# Altium PCB 191228 PCB.PcbDoc (part 2 of 3)
Units mm, origin at the board's own origin, x right, y up, seen from the top; angles counter-clockwise.
Board outline 140 x 119 mm, 4 copper layers (Top Layer, Int1 (GND), Int2 (PWR), Bottom Layer), stack 1.369 mm thick; 247 components, 139 nets, 764 pads, 397 vias.
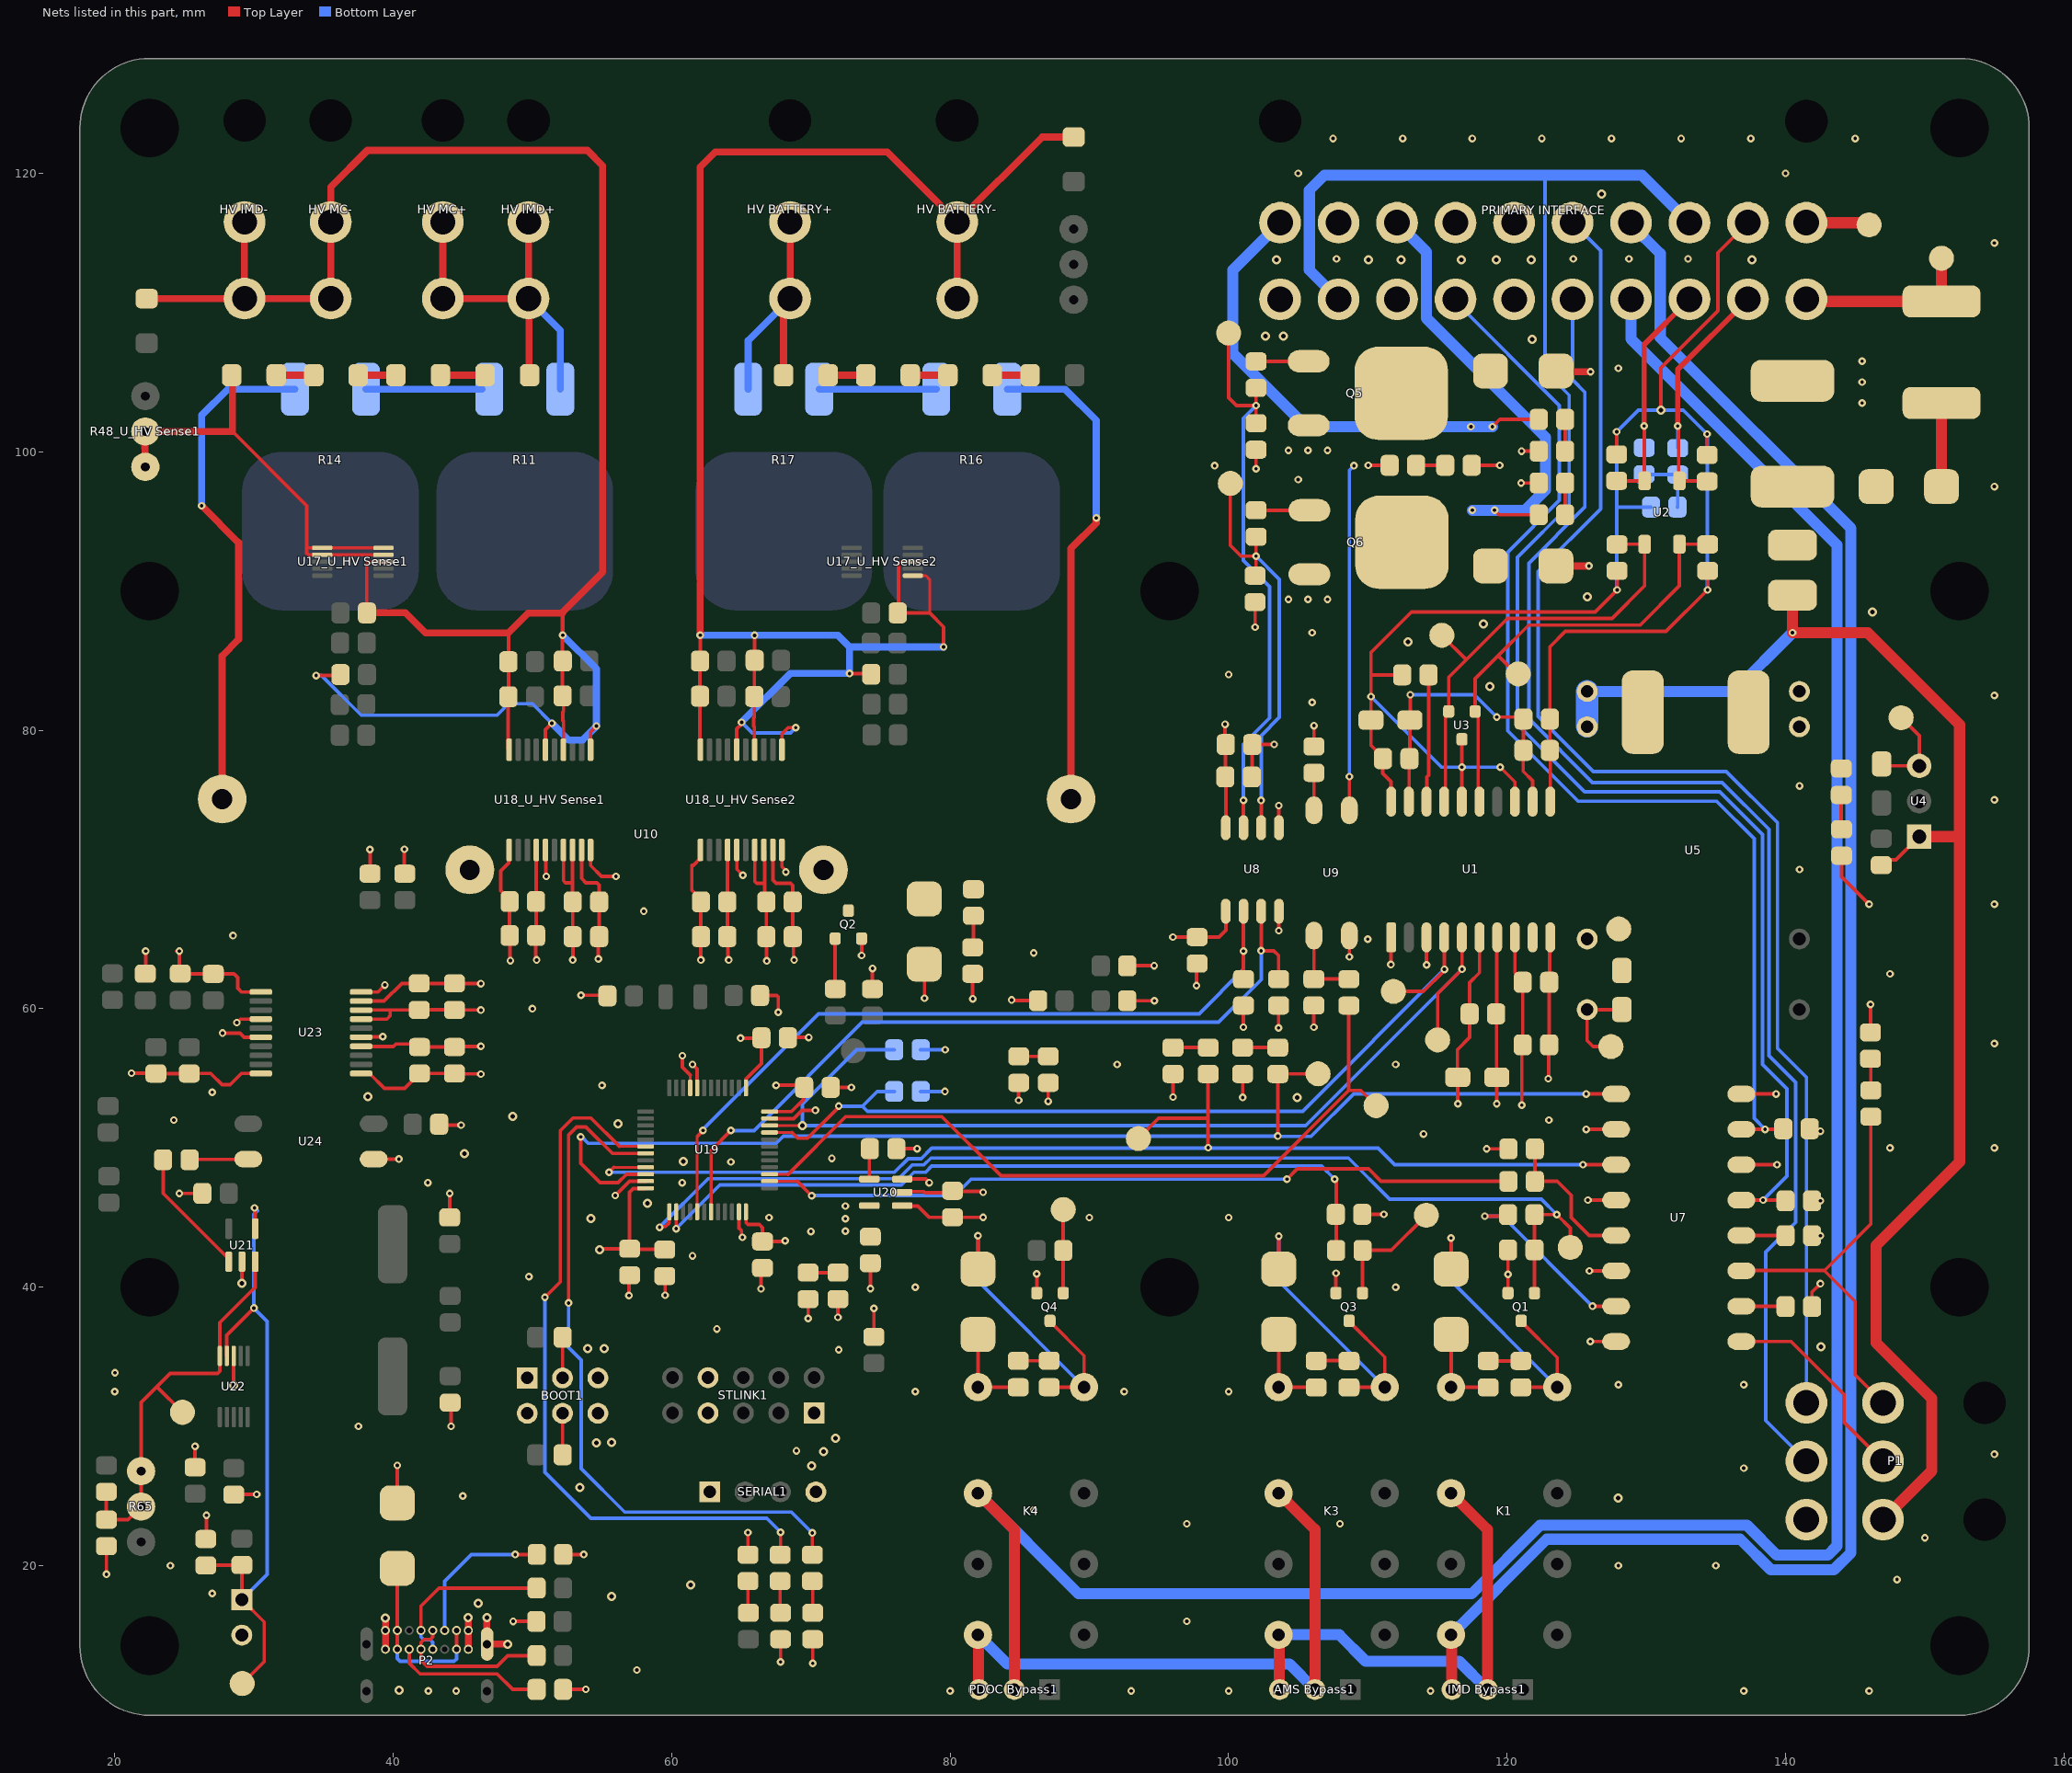
[diagram p4: the nets of this part, all layers, seen from the top]

## Via types
v1: diameter 0.55, hole 0.25, Top Layer to Bottom Layer, tented both sides, 349 vias
v2: diameter 0.66, hole 0.33, Top Layer to Bottom Layer, tented both sides, 47 vias
v3: diameter 0.66, hole 0.33, Top Layer to Bottom Layer, 1 vias

## Nets (pads, with @x,y where several pads share a name; then routed paths per layer and width w, separated by ;. In a path a pad name is that pad's centre, name@x,y a point inside that pad or via, vN(x,y) a via of type N, cw(c..) or ccw(c..) an arc to the next point about the centre after c; other vN are vias at no path point) (continued)
"0V (ISO)": "0V ISO TP.1" "C35_U_HV Sense1.1" "C35_U_HV Sense2.1" "C36_U_HV Sense1.1" "C36_U_HV Sense2.1" "C37_U_HV Sense1.1" "C37_U_HV Sense2.1" "C38_U_HV Sense1.1" "C38_U_HV Sense2.1" "PCB NTC1.1" "U18_U_HV Sense1.1" "U18_U_HV Sense1.5" "U18_U_HV Sense1.7" "U18_U_HV Sense1.8" "U18_U_HV Sense1.10" "U18_U_HV Sense2.1" "U18_U_HV Sense2.5" "U18_U_HV Sense2.7" "U18_U_HV Sense2.8" "U18_U_HV Sense2.10" BOOT1.5 BOOT1.6 C1.1 C2.1 C7.1 C8.1 C16.1 C19.1 C20.1 C27.1 C39.1 C40.1 C41.1 C42.1 C43.1 C44.1 C45.1 C46.1 C47.1 C48.1 C49.1 C60.1 C61.1 C62.1 C63.1 D11.K D20.K P2.A1 P2.A12 P2.B1 P2.B12 P2.P1 Q1.S Q2.S Q3.S Q4.S R3.1 R8.1 R12.1 R19.1 R24.1 R29.1 R36.1 R38.1 R55.1 R57.1 R58.1 R63.2 R72.2 SERIAL1.4 STLINK1.1 U1.1 U1.3 U1.7 U1.9 U1.10 U5.16 U8.4 U19.8 U19.23 U19.35 U19.47 U20.2 U23.1 U23.5 U23.7 U23.8 U23.10 U24.3 | length 178.2
  Top Layer w0.254: U23.1@37.7,55.35 38.3,55.35 39.361,54.289 40.836,54.289 C63.1@41.894,55.347 C62.1@44.405,55.347 44.428,55.323 46.277,55.323 v1(46.3,55.3) ; U23.7@37.7,59.25 39.55,59.25 39.784,59.484 39.784,59.909 ; U23.8@37.7,59.9 37.709,59.909 39.784,59.909 ; U23.10@37.7,61.2 38.9,61.2 v1(39.4,61.7) ; U23.5@37.989,57.95 U23.5@37.7,57.95 37.725,57.975 39.225,57.975 v1(39.25,58) ; U24.3@38.6,49.2 v1(40.411,49.2) ; C19.1@44.064,45.005 v1(44.064,46.726) ; C20.1@44.095,31.705 44.164,31.636 v1(44.164,30.005) ; v1(46.3,59.9) 46.291,59.909 44.414,59.909 C60.1@44.405,59.919 C61.1@41.869,59.919 41.859,59.909 39.784,59.909 ; 48.332,71.4 48.293,71.36 48.293,70.468 47.725,69.9 47.725,68.471 48.363,67.833 48.363,67.699 48.365,67.697 48.365,65.254 48.367,65.252 48.384,65.235 v1@48.384,63.716 ; v1@48.41,63.465 v1(48.425,63.45) ; 50.932,71.4 50.958,71.374 50.958,69.548 v1(51.002,69.503) ; R72.2@52.203,11.11 v1(53.833,11.11) ; R63.2@52.213,20.799 v1(53.692,20.799) ; 52.232,71.4 52.232,69.186 52.381,69.037 52.889,69.037 ; 52.882,71.4 52.889,71.393 52.889,69.037 ; v1(52.9,63.5) 52.91,63.51 52.91,65.158 52.895,65.173 52.896,67.672 52.889,67.679 52.889,69.037 ; v1(53.491,60.962) 55.345,60.962 C41.1@55.387,60.92 ; 54.182,71.4 54.182,70.279 54.961,69.5 v1(56,69.5) ; v1(55.956,46.584) 56.982,47.609 U19.23@58.134,47.609 ; v1(56.933,39.396) 56.933,40.808 C44.1@56.984,40.859 ; C43.1@59.51,40.797 59.533,40.775 v1(59.533,39.421) ; v1(61.5,56) 61.834,55.666 U19.8@61.834,54.309 ; 62.07,71.406 62.07,70.806 61.564,70.3 61.449,70.3 61.449,68.505 62.1,67.854 62.1,67.672 62.1,65.173 v1(62.1,63.5) ; 64.67,71.406 64.682,71.394 64.682,70.014 v1(65.11,69.586) ; U19.35@64.834,45.409 64.834,44.246 65.018,44.062 65.018,43.632 v1(65.075,43.575) ; 65.97,71.406 65.97,69.149 66.119,69 66.693,69 ; C40.1@66.349,60.946 67.554,60.946 67.659,60.841 v1(67.659,59.75) ; v1(66.423,39.88) 66.423,41.28 C47.1@66.523,41.38 ; 66.62,71.406 66.693,71.333 66.693,69 ; v1(66.837,63.433) 66.819,63.452 66.819,65.154 66.8,65.173 66.8,67.672 66.693,67.779 66.693,69 ; U19.47@67.034,52.109 68.756,52.109 69.347,52.7 v1(70.325,52.7) ; v1(67.824,13.087) R57.1@67.824,14.711 ; 67.92,71.406 67.92,70.19 68.2,69.91 v1(68.2,69.811) ; C45.1@68.348,57.913 68.373,57.938 v1(69.848,57.938) ; v1(69.8,37.745) R55.1@69.8,39.145 ; v1(70.134,12.984) R58.1@70.134,14.711 ; C48.1@71.42,54.347 v1(72.907,54.347) ; v1(73.645,63.82) Q2.S@73.645,65.04 ; v1(74.274,39.891) C46.1@74.274,41.72 ; R19.1@74.421,61.414 v1(74.421,62.89) ; C49.1@76.136,49.946 v1(77.636,49.946) ; U20.2@76.563,46.808 76.619,46.864 78.13,46.864 78.205,46.789 80.043,46.789 C42.1@80.174,46.92 80.224,46.87 82.324,46.87 v1(82.374,46.82) ; Q4.S@86.223,39.577 v1(86.223,40.955) ; v1(87.047,53.347) R3.1@87.047,54.677 ; C39.1@92.718,60.576 92.72,60.574 v1(94.677,60.574) ; 92.718,63.076 92.731,63.089 v1(94.652,63.089) ; v1(96.006,53.651) D11.K@96.006,55.308 ; v1(97.689,61.666) 97.689,63.191 C16.1@97.739,63.241 ; v1(101.01,53.625) D20.K@101.01,55.308 ; v1(101.067,58.674) R8.1@101.067,60.228 ; v1(103.589,58.615) R24.1@103.589,60.228 ; v1(103.61,65.61) U8.4@103.61,67 ; v1(106.121,58.674) R12.1@106.121,60.232 ; Q3.S@107.711,39.577 v1(107.711,41.006) ; R38.1@109.598,45.233 v1(111.146,45.233) ; v1(111.654,63.17) 111.663,63.179 U1.1@111.663,65.111 ; U1.1@111.662,65.112 U1.1@111.672,65.122 ; U1.3@114.212,65.122 114.215,65.118 114.215,63.148 v1(114.219,63.144) ; v1(118.532,49.932) R36.1@120.095,49.932 ; v1(119.262,53.175) C1.1@119.262,55.075 119.237,55.1 119.237,59.6 C8.1@119.212,59.625 119.252,59.665 119.252,65.082 U1.7@119.292,65.122 ; Q1.S@120.065,39.577 v1(120.065,40.92) 120.065,42.666 R29.1@120.071,42.672 ; v1(122.962,54.975) 122.993,55.006 122.993,57.37 C7.1@123.024,57.401 C2.1@123.024,61.901 123.063,61.94 123.063,65.083 U1.10@123.102,65.122
  Top Layer w0.508: P2.B1@39.448,13.995 P2.A12@39.448,15.345 39.45,15.347 v2(39.45,16.25) ; P2.B12@45.398,13.995 P2.A1@45.398,15.345 v2(45.398,16.273) ; v2(46.725,16.275) 46.725,14.388 P2.P1@46.748,14.365 v2(48.215,14.365)
  other v1: 42.525,11 44.525,11 57.5,12.5 45,25 68.961,28.249 37.5,30 77.5,32.5 92.5,32.5 100,32.5 128,33 72,35.5 63.25,37 77.5,40 112,40 49.75,40.75 61.5,42.25 70,44 67,45 90,45 100,45 42.5,47.5 60.75,47.5 64.25,49 71.5,49.25 114,51 123,52 55,54.5 92,56 112,56 50,60 86,64 110,65 58,67
  other v2: 40.425,11.05 46.1,17.275 55.675,17.8 61.366,18.618 53.4,25.625 70.053,27.178 70.917,28.194 54.61,28.804 55.677,28.854 71.78,29.159 53.975,35.585 55.169,35.585 54.2,44.925 58.25,46.025 60.85,49.025 45.125,49.6 56.15,51.75 48.575,52.25 104.925,53.625 38.175,53.7
"3.3V (ISO)": BOOT1.1 BOOT1.2 C43.2 C44.2 C45.2 C46.2 C47.2 C48.2 D18.A D19.A R77.2 SERIAL1.1 STLINK1.7 STLINK1.8 U19.1 U19.9 U19.24 U19.36 U19.48 U20.5 | length 33.6
  Top Layer w0.203: U19.9@61.334,54.309 61.334,55.238 ; U19.1@65.334,54.309 65.334,54.946 ; R77.2@74.526,36.438 v1(74.526,38.474)
  Top Layer w0.254: v2(54.839,42.697) 54.9,42.759 C44.2@56.984,42.759 ; U19.24@58.134,47.109 58.111,47.086 57.246,47.086 56.984,46.824 C44.2@56.984,42.759 ; C43.2@59.51,42.697 59.479,42.728 57.015,42.728 C44.2@56.984,42.759 ; v1(60.772,56.621) 60.772,55.8 61.334,55.238 ; v1(64.948,57.887) 66.372,57.887 66.423,57.938 C45.2@66.448,57.913 66.448,56.06 65.334,54.946 ; U19.36@65.334,45.409 65.35,45.393 65.35,44.625 65.476,44.499 66.301,44.499 66.523,44.277 C47.2@66.523,43.28 68.105,43.28 v1(68.15,43.325) ; v1(65.475,22.375) 65.475,20.793 D19.A@65.483,20.785 ; U19.48@67.034,52.609 68.609,52.609 69.458,53.458 69.458,54.385 69.343,54.5 v1(67.5,54.5) ; v1(71.943,37.836) D18.A@71.943,39.145
  other v1: 72.474,44.02 72.474,44.92 72.474,45.82
5V: "5V TP.1" C15.2 C17.2 C18.2 D16.A R4.2 R7.2 U4.3 U8.8 | length 19.5
  Top Layer w0.254: v1(99.75,80.425) 99.75,79.025 C18.2@99.8,78.975 99.781,78.956 99.781,76.67 C17.2@99.763,76.652 99.8,76.614 U8.8@99.8,73.477 ; R7.2@141.738,51.374 141.912,51.2 v1(142.5,51.2) ; R4.2@141.9,46.2 v1(142.5,46.2) ; D16.A@144.026,70.988 144.026,69.474 v1(146,67.5) ; C15.2@146.9,77.575 147.035,77.44 U4.3@149.6,77.44 149.6,79.6 148.3,80.9
"5V (ISO)": "5V ISO TP.1" "C35_U_HV Sense1.2" "C35_U_HV Sense2.2" "C36_U_HV Sense1.2" "C36_U_HV Sense2.2" "C37_U_HV Sense1.2" "C37_U_HV Sense2.2" "C38_U_HV Sense1.2" "C38_U_HV Sense2.2" "U18_U_HV Sense1.4" "U18_U_HV Sense1.9" "U18_U_HV Sense2.4" "U18_U_HV Sense2.9" C1.2 C2.2 C7.2 C8.2 C16.2 C27.2 C42.2 C60.2 C61.2 C62.2 C63.2 D4.K D8.K D9.A D10.K D12.K D13.A D14.K D15.A D17.A K1.16 K3.16 K4.16 R15.2 R39.2 R54.2 R70.2 R71.2 R73.2 R75.2 R76.2 U1.6 U1.8 U5.14 U7.10 U7.12 U7.14 U7.16 U8.1 U9.4 U10.2 U20.1 U20.3 U23.4 U23.9 | length 146.4
  Top Layer w0.254: U23.4@37.7,57.3 37.727,57.273 40.018,57.273 40.205,57.461 41.679,57.461 C63.2@41.894,57.247 C62.2@44.405,57.247 44.432,57.273 46.273,57.273 v1(46.3,57.3) ; U23.9@37.7,60.55 39.35,60.55 40.619,61.819 C61.2@41.869,61.819 C60.2@44.405,61.819 44.414,61.809 46.291,61.809 v1(46.3,61.8) ; R70.2@38.338,69.696 v1(38.338,71.429) ; D10.K@40.3,24.5 v1(40.3,27.2) ; v1(40.802,71.455) 40.802,69.732 R71.2@40.838,69.696 ; R73.2@43.3,51.7 43.362,51.638 v1(44.882,51.638) ; v1(48.624,15.994) R39.2@50.279,15.994 ; 50.273,67.704 50.273,67.709 ; 50.282,71.4 50.273,71.39 50.273,67.709 ; v1(50.3,63.5) 50.246,63.554 50.246,65.235 50.265,65.254 50.265,67.697 50.263,67.699 50.273,67.709 ; 53.532,71.4 53.532,69.353 53.848,69.037 54.641,69.037 54.796,68.882 54.796,67.672 54.796,65.173 54.795,65.014 54.737,64.955 v1(54.737,63.576) ; 64.02,71.406 64.008,71.394 64.008,69.718 64.01,69.716 64.01,67.682 64,67.672 64,65.173 64.05,65.123 64.05,63.55 v1(64.1,63.5) ; 67.27,71.406 67.27,69.23 67.5,69 68.551,69 68.7,68.851 68.7,67.672 68.7,65.173 68.75,65.123 68.75,63.55 v1(68.8,63.5) ; U20.1@76.563,45.858 76.607,45.814 77.68,45.814 78.474,45.02 C42.2@80.174,45.02 v1(82.374,45.02) ; U20.3@76.563,47.758 76.572,47.768 78.232,47.768 v1(78.5,47.5) ; D4.K@78.148,63.188 78.156,63.18 v1(78.156,60.757) ; v1(81.622,60.712) R15.2@81.622,62.5 ; D14.K@82,36.6 82.002,36.598 K4.16@82.002,32.816 82.01,32.808 D15.A@84.892,32.808 D15.A@84.9,32.8 ; v1(84.416,60.625) 84.464,60.576 R54.2@86.318,60.576 ; v1(84.922,53.422) D17.A@84.922,54.677 ; v1(96.002,65.141) C16.2@97.739,65.141 99.304,65.141 99.8,65.637 U8.1@99.8,67 ; D12.K@103.607,36.6 103.595,36.588 K3.16@103.595,32.816 103.603,32.808 106.282,32.808 D13.A@106.29,32.8 ; v1(108.67,63.72) U9.4@108.67,65.25 ; D8.K@115.979,36.6 K1.16@115.98,32.816 115.988,32.808 118.632,32.808 D9.A@118.64,32.8 ; v1(116.462,53.175) C1.2@116.462,55.075 116.437,55.1 116.437,57.064 117.312,57.939 C8.2@117.312,59.625 117.312,61.875 118.022,62.585 U1.6@118.022,65.122 ; U1.8@120.562,65.122 120.562,62.604 121.124,62.042 C2.2@121.124,61.901 C7.2@121.124,57.401 121.062,57.339 v1(121.062,53.075) ; v1(125.679,51.333) U7.10@127.83,51.333 ; v1(125.806,46.253) U7.12@127.83,46.253 ; v1(125.908,41.173) U7.14@127.83,41.173 ; v1(125.984,36.093) U7.16@127.83,36.093 ; 127.457,57.277 126.176,57.277 125.75,57.703 U5.14@125.75,59.93 128.231,59.93 C27.2@128.245,59.944
  Bottom Layer w0.254: R75.2@77.888,54.055 v1(79.63,54.055) ; R76.2@77.888,57.055 v1(79.645,57.055)
12V/24V: C14.2 C22.2 L1.1 P1.1 U4.1 U5.22 U5.23 | length 105.6
  Top Layer w0.254: C14.2@146.874,70.312 147.25,70.689 147.929,70.689 U4.1@149.6,72.36
  Top Layer w0.8: L1.1@140.5,89.7 v1(140.5,87) 145.9,87 152.5,80.4 152.5,72.36 ; P1.1@147,23.3 150.5,26.8 150.5,32 146.5,36 146.5,43 152.5,49 152.5,72.36 ; U4.1@149.6,72.36 152.5,72.36
  Bottom Layer w0.8: U5.23@125.75,82.79 136.29,82.79 v1(140.5,87)
  Bottom Layer w1.6: U5.22@125.75,80.291 U5.23@125.75,82.79
"AIR Power": "PRIMARY INTERFACE.12" "PRIMARY INTERFACE.13" "PRIMARY INTERFACE.17" D2.K D6.K D21.A R6.2 R22.2 U9.1 | length 34.3
  Top Layer w0.254: U9.1@108.67,74.25 v1(108.67,76.67) ; D21.A@117.462,99.026 v1(119.474,99.026) ; v1(121.009,97.759) R22.2@122.271,97.759 ; v1(121.043,100.043) R6.2@122.271,100.043
  Top Layer w0.508: D6.K@123.509,91.8 v1(125.878,91.8) ; D2.K@123.509,105.8 123.551,105.842 123.643,105.75 v1(126,105.75)
  Bottom Layer w0.254: v1(108.67,76.67) 108.67,98.67 v1(109,99)
AIR+: "PRIMARY INTERFACE.15" D6.A D7.K Q6.D | length 32.9
  Top Layer w0.254: v1@117.4,95.8 v1(117.5,95.8) ; v1(119.1,95.8) 119.424,95.476 D7.K@122.271,95.476
  Bottom Layer w0.8: 112.1,116.45 114.2,114.35 114.2,111.82 114.2,109.6 122.75,101.05 122.75,97.25 121.3,95.8 v1(119.1,95.8) v1(117.5,95.8)
"AIR+ (ISO)": R24.2 U8.3 U19.31 | length 57
  Top Layer w0.203: U19.31@62.834,45.409 62.834,49.828
  Top Layer w0.254: 62.834,49.828 64.25,51.244 v1(64.25,51.25) ; U8.3@102.34,67 v1(102.34,64.16) 103.251,64.16 103.589,63.822 R24.2@103.589,62.128
  Bottom Layer w0.254: v1(64.25,51.25) 65.916,51.25 73.696,59.03 99.28,59.03 102.34,62.09 v1(102.34,64.16)
"AIR+ Feedback (ISO)": "AIR- FB ISO TP2.1" R20.2 U7.9 U19.22 | length 90.9
  Top Layer w0.254: v1(53.467,50.8) 53.467,48.895 54.862,47.5 56.151,47.5 56.76,48.109 U19.22@58.134,48.109 ; v1(103.532,50.853) R20.2@103.532,55.308 103.539,55.315 106.419,55.315 106.426,55.321 ; v1(125.679,53.873) U7.9@127.83,53.873
  Bottom Layer w0.254: v1(53.467,50.8) 53.536,50.8 54.004,50.332 67.504,50.332 68.025,50.853 v1(103.532,50.853) 103.505,50.825 105.918,50.825 108.979,53.886 125.666,53.886 v1(125.679,53.873)
"AIR+ Feedback Out": "PRIMARY INTERFACE.14" R7.1 U7.7 | length 80.8
  Top Layer w0.254: U7.7@136.83,51.333 v1(138.532,51.333) 139.798,51.333 R7.1@139.838,51.374
  Bottom Layer w0.254: 116.3,110.95 116.3,110.776 123.76,103.316 123.76,96.506 120.04,92.786 120.04,79.959 125.095,74.905 135.052,74.905 137.744,72.212 137.744,52.121 v1(138.532,51.333)
AIR-: "PRIMARY INTERFACE.19" D2.A D3.K Q5.D | length 35.2
  Top Layer w0.254: v1(118.95,101.8) 119.476,102.326 D3.K@122.271,102.326
  Bottom Layer w0.8: 103.7,116.45 100.3,113.05 100.3,107.075 105.575,101.8 v1(117.4,101.8) v1(118.95,101.8)
"AIR- (ISO)": R8.2 U8.2 U19.29 | length 55.9
  Top Layer w0.203: U19.29@61.834,45.409 61.834,50.834 61.854,50.854
  Top Layer w0.254: 61.854,50.854 v1(62.25,51.25) ; R8.2@101.067,62.128 101.07,62.132 v1(101.07,64.138) U8.2@101.07,67
  Bottom Layer w0.254: v1(62.25,51.25) 62.25,51.345 70.544,59.639 97.889,59.639 101.07,62.82 v1(101.07,64.138)
"AIR- Feedback (ISO)": "AIR- FB ISO TP1.1" R5.2 U7.11 U19.21 | length 87.2
  Top Layer w0.203: 55.862,48.612 55.866,48.609 U19.21@58.134,48.609
  Top Layer w0.254: v1(55.5,48.25) 55.862,48.612 ; 93.523,50.673 94.971,52.121 98.529,52.121 ; v1(98.529,50.015) 98.529,52.121 ; R5.2@98.529,55.308 98.529,52.121 ; v1(125.451,48.793) U7.11@127.83,48.793
  Bottom Layer w0.254: v1(55.5,48.25) 76,48.25 76.985,49.235 77.931,49.235 78.683,49.987 v1@98.527,49.987 ; v1@98.527,50.013 v1(98.529,50.015) ; v1@98.529,49.987 110.744,49.987 111.938,48.793 v1(125.451,48.793)
"AIR- Feedback Out": "PRIMARY INTERFACE.5" "PRIMARY INTERFACE.18" R4.1 U7.5 | length 131.4
  Top Layer w0.254: U7.5@136.83,46.253 v1(138.388,46.253) 139.947,46.253 R4.1@140,46.2
  Bottom Layer w0.254: 122.75,119.875 122.733,119.858 122.733,105.791 124.46,104.064 124.46,96.139 120.752,92.431 120.752,80.416 125.578,75.59 135.28,75.59 138.354,72.517 138.354,56.007 140.106,54.254 140.106,47.972 v1(138.388,46.253)
  Bottom Layer w0.8: 107.9,110.95 105.8,113.05 105.8,118.784 106.891,119.875 122.75,119.875 ; 122.733,119.858 129.692,119.858 133.1,116.45
"AMS OK (ISO)": R34.1 R38.2 U19.26 | length 56.1
  Top Layer w0.254: v1(60.325,44.2) 60.325,45.6 U19.26@60.33,45.605 ; v1(107.62,47.752) 107.722,47.65 R34.1@107.722,42.646
  Bottom Layer w0.254: v1(60.325,44.2) 63.461,47.336 76.482,47.336 77.397,48.25 78.239,48.25 78.681,48.692 106.68,48.692 v1(107.62,47.752)
BOOT0: BOOT1.3 R60.1 | length 2.9
  Top Layer w0.254: BOOT1.3@52.168,33.48 52.17,33.483 52.17,36.399 R60.1@52.173,36.402
BOOT1: BOOT1.4 R59.2 | length 3
  Top Layer w0.254: BOOT1.4@52.168,30.94 52.171,30.936 52.171,27.964 R59.2@52.175,27.961
"CAN RX": "CAN RX TP.1" R75.1 U1.4 U19.45 | length 63.4
  Top Layer w0.203: U19.45@67.034,51.109 68.647,51.109 68.651,51.105
  Top Layer w0.254: 68.651,51.105 69.057,50.698 69.764,50.698 72,52.935 v1(72,53) ; 111.836,61.239 113.989,61.239 115.491,62.741 115.491,65.113 U1.4@115.482,65.122
  Bottom Layer w0.254: v1(72,53) 73.701,53 ; R75.1@75.988,54.055 74.756,54.055 73.701,53 ; v1(115.5,62.825) 105.311,52.636 74.065,52.636 73.701,53
"CAN RX INDC": "CAN RX INDC1.A" U19.19 | length 51
  Top Layer w0.254: v1(52.603,38.862) 52.603,50.942 53.172,51.511 53.839,51.511 55.741,49.609 U19.19@58.134,49.609 ; v1(70.1,22.35) 70.1,20.788 70.102,20.785
  Bottom Layer w0.254: v1(52.603,38.862) 52.603,35.647 53.5,34.75 53.5,26.975 56.626,23.849 68.601,23.849 v1(70.1,22.35)
"CAN TX": "CAN TX TP.1" R76.1 U1.5 U19.46 | length 72.2
  Top Layer w0.203: U19.46@67.034,51.609 v2(69.391,51.609)
  Top Layer w0.254: 115.011,57.76 115.011,61.087 v1(116.764,62.84) 116.764,65.11 U1.5@116.752,65.122
  Bottom Layer w0.254: R76.1@75.988,57.055 73.299,57.055 69.391,53.147 v2(69.391,51.609) 105.533,51.609 v1(116.764,62.84)
"CAN TX INDC": "CAN TX INDC1.A" U19.18 | length 52.7
  Top Layer w0.203: 56.241,50.109 U19.18@58.134,50.109
  Top Layer w0.254: v1(50.9,39.27) 52,40.37 52,51.25 52.902,52.152 54.198,52.152 56.241,50.109 ; 67.793,20.785 67.825,20.818 v1(67.825,22.4)
  Bottom Layer w0.254: v1(50.9,39.27) 50.9,26.697 54.205,23.392 66.833,23.392 v1(67.825,22.4)
CANH: "CAN TERM R1.2" "PRIMARY INTERFACE.6" C11.2 U2.2 | length 18
  Top Layer w0.254: C11.2@127.871,97.909 U2.2@129.876,97.909 129.86,97.925 129.86,101.829 v1(129.844,101.844)
  Top Layer w0.381: v1(129.844,101.844) 129.844,107.694 133.1,110.95
  Bottom Layer w0.254: 129.844,100.285 v1(129.844,101.844)
CANL: "CAN TERM R2.1" "PRIMARY INTERFACE.4" C10.2 U2.1 | length 18.8
  Top Layer w0.254: v1(132.255,101.855) 132.315,101.794 132.315,97.97 U2.1@132.376,97.909 134.333,97.909 C10.2@134.371,97.871
  Top Layer w0.381: v1(132.255,101.855) 132.255,105.905 137.3,110.95
  Bottom Layer w0.254: 132.255,100.261 v1(132.255,101.855)
CANS: "PRIMARY INTERFACE.3" C3.1 C4.1 C5.1 C6.1 C9.1 C10.1 C11.1 C12.1 C13.1 R1.1 U1.11 U1.13 U1.16 U1.20 U3.3 | length 130.8
  Top Layer w0.254: U1.20@111.672,74.875 111.672,76.313 111.074,76.911 111.074,78.074 110.224,78.924 C4.1@110.224,80.73 v1(110.224,82.411) 110.224,83.974 ; R1.1@112.463,83.974 110.224,83.974 ; U1.16@116.752,74.875 116.755,74.879 v1(116.755,77.343) 116.755,79.346 U3.3@116.759,79.35 ; v1(119.507,77.343) 120.562,76.288 U1.13@120.562,74.875 ; U1.11@123.102,74.876 123.102,78.523 C6.1@123.074,78.551 C5.1@123.074,80.801 123.074,85.99 124.181,87.097 131.42,87.097 v1(134.404,90.081) 134.404,91.445 C12.1@134.402,91.447 ; C11.1@127.871,99.809 v1(127.871,101.441) ; C13.1@127.902,91.447 v1(127.902,90.081) 126.315,88.494 113.132,88.494 110.224,85.586 110.224,83.974 ; v2(131.038,102.997) 131.038,106.019 135.153,110.134 135.153,114.303 137.3,116.45 ; C10.1@134.371,99.771 v1(134.371,101.274)
  Bottom Layer w0.254: v1(110.224,82.411) 115.292,77.343 v1(116.755,77.343) v1(119.507,77.343) ; v1(127.902,90.081) 127.886,90.096 127.886,96.026 ; C9.1@130.338,96.026 127.886,96.026 ; v1(134.404,90.081) 134.388,90.098 134.388,101.258 v1(134.371,101.274) 132.648,102.997 v2(131.038,102.997) 129.427,102.997 v1(127.871,101.441) 127.886,101.425 127.886,96.026
"CHASSIS REF": "PRIMARY INTERFACE.9" P1.6 | length 101
  Bottom Layer w0.254: 124.7,116.45 126.711,114.439 126.711,95.901 122.225,91.415 122.225,81.001 126.187,77.038 135.738,77.038 139.421,73.355 139.421,57.15 141.5,55.071 P1.6@141.5,31.7
GLV+: "GLV+ TP1.1" "PRIMARY INTERFACE.2" F1.1 | length 12.9
  Top Layer w0.8: 141.5,110.95 141.65,110.8 F1.1@151.2,110.8 151.2,113.9
GLV-: "GLV- TP1.1" "PRIMARY INTERFACE.1" "PRIMARY INTERFACE.11" "PRIMARY INTERFACE.16" "PRIMARY INTERFACE.20" C17.1 C18.1 C21.1 C22.1 P1.2 Q5.S Q6.S R2.1 R9.1 R13.2 R25.1 R26.1 R31.2 R40.2 R43.2 U5.2 U5.3 U7.6 U7.8 U8.5 | length 25.8
  Top Layer w0.254: C17.1@101.663,76.652 101.7,76.689 C18.1@101.7,78.975 v1(103.27,78.975) ; v1(101.9,87.4) R25.1@101.9,89.2 ; v1(101.975,98.775) R9.1@101.975,100.15 ; U8.5@103.607,72.803 U8.5@103.61,72.8 ; U8.5@103.61,73 v1(103.61,74.59) ; R13.2@106.126,78.838 v1(106.126,80.326) ; v1(110.026,99.026) R40.2@111.562,99.026 ; U7.6@136.83,48.793 v1(139.393,48.793) ; U7.8@136.83,53.873 v1(139.327,53.873) ; R26.1@141.9,38.6 141.9,39.65 v1(142.5,40.25) ; R31.2@141.9,43.7 v1(142.5,43.7) ; R43.2@146.1,58.3 v1(146.1,60.3)
  Top Layer w0.8: 141.5,116.45 145.85,116.45 146,116.3
  other v1: 80,11 93,11 100,11 114.5,11 137,11 146,11 97,16 148,19 128,20 135,20 150,22 97,23 108,23 86,24 137,27 155,28 137,33 147.5,50 155,50 155,57.5 147.5,62.5 155,67.5 141,70 155,75 141,76 106,82 155,82.5 100,84 106,87 104.3,89.4 105.7,89.4 107.1,89.4 155,97.5 105,98 99,99 104.3,100.1 105.7,100.1 107.1,100.1 145.5,103.5 145.5,105 128,106 145.5,106.5 107.75,113.855 124.75,113.855 128.75,113.855 133,113.855 155,115 105,120 140,120 107.5,122.5 112.5,122.5 117.5,122.5 122.5,122.5 127.5,122.5 132.5,122.5 137.5,122.5 145,122.5
  other v2: 127.975,24.85 142.525,35.725 118.75,83.15 112.875,86.35 118.3,87.625 125.775,89.575 121.8,108.075 102.65,108.3 103.95,108.3 103.425,113.8 110.05,113.8 112.375,113.8 116.7,113.8 119.225,113.8 121.75,113.8 137.575,113.8 126.775,118.5
  other v3: 146.25,88.5
"GLV- REF": "PRIMARY INTERFACE.10" P1.4 | length 101
  Bottom Layer w0.254: 124.7,110.95 124.7,105.17 125.578,104.292 125.578,96.012 121.564,91.999 121.564,80.823 126.136,76.251 135.444,76.251 138.811,72.884 138.811,56.617 140.714,54.713 140.714,44.651 138.582,42.52 138.582,30.418 P1.4@141.5,27.5
GNDISO: "PDOC NTC1.2" C52.1 C53.1 C54.1 C55.2 C56.1 C57.1 C58.1 C59.2 R69.1 R74.1 U21.2 U22.3 U23.11 U23.14 U23.16 U23.20 | length 37.3
  Top Layer w0.254: C54.1@19.4,21.4 19.406,21.394 v1(19.406,19.38) ; v1(21.209,55.372) 22.925,55.372 C56.1@22.956,55.341 C57.1@25.356,55.341 25.365,55.35 26.894,55.35 27.705,54.539 28.295,54.539 29.106,55.35 U23.20@30.5,55.35 ; R69.1@22.199,62.509 22.225,62.535 v1(22.225,64.135) ; v1@24.436,64.135 v1(24.638,64.135) 24.638,62.597 C59.2@24.713,62.521 24.738,62.497 C58.1@27.082,62.497 28.562,62.497 28.829,62.23 28.829,61.468 29.097,61.2 U23.11@30.5,61.2 ; v1(24.638,46.736) C53.1@26.294,46.736 ; R74.1@25.774,27.062 v1(25.774,28.574) ; C52.1@26.542,21.911 26.594,21.962 v1(26.594,23.622) ; v1(27.75,58.25) 28.996,58.25 29.296,57.95 U23.16@30.5,57.95 ; v2(28.524,32.944) 28.537,32.956 28.537,35.055 U22.3@28.55,35.068 ; C55.2@28.55,25.1 28.57,25.121 v1(30.201,25.121) ; v1(28.774,59) 29.024,59.25 U23.14@30.5,59.25 ; v2(29.141,40.284) 29.108,40.284 29.126,40.302 29.126,41.816 U21.2@29.144,41.834
  other v1: 27,18 24,20 20,32.5 20.025,33.85 24.25,52 27,54 28.5,65.25
"Green In": "IMD Bypass1.3" "PRIMARY INTERFACE.7" K1.9 | length 139
  Top Layer w0.8: K1.9@115.98,15.036 116.013,15.003 116.013,11.134 116.047,11.1
  Bottom Layer w0.8: K1.9@115.98,15.036 115.986,15.036 122.847,21.897 136.738,21.897 138.938,19.696 143.468,19.696 144.697,20.925 144.7,20.925 144.7,94.5 131,108.2 131,114.231 128.9,116.331 128.9,116.45
"Green Out": "PDOC Bypass1.2" "PRIMARY INTERFACE.8" K4.13 | length 178.7
  Top Layer w0.8: K4.13@82.002,25.196 84.609,22.589 84.609,11.1
  Bottom Layer w0.8: K4.13@82.002,25.196 89.223,17.975 117.45,17.975 122.375,22.9 137.225,22.9 139.375,20.75 143.031,20.75 143.697,21.415 143.697,93.303 128.9,108.1 128.9,110.95
"HV Battery+": "HV BATTERY+.1" "HV BATTERY+.2" "R44_U_HV Sense2.2" R17.1 | length 18.9
  Top Layer w0.508: 68.04,105.5 68.04,110.533 68.507,111 68.507,116.5
  Bottom Layer w0.508: R17.1@65.5,104.5 65.5,107.993 68.507,111
"HV Battery-": "C30_U_HV Sense2.2" "C31_U_HV Sense2.1" "C32_U_HV Sense2.1" "C33_U_HV Sense2.1" "C34_U_HV Sense2.2" "HV BATTERY-.1" "HV BATTERY-.2" "R51_U_HV Sense2.1" "R53_U_HV Sense2.1" "U17_U_HV Sense2.1" "U17_U_HV Sense2.3" "U18_U_HV Sense2.11" "U18_U_HV Sense2.14" "U18_U_HV Sense2.16" "U18_U_HV Sense2.20" | length 139.5
  Top Layer w0.203: 77.325,91.1 78.25,91.1 78.528,90.822 78.528,88.422
  Top Layer w0.254: v1(62.052,86.817) 62.052,84.982 62.038,84.968 62.038,82.442 62.038,78.639 62.07,78.606 ; 64.67,78.606 64.67,80.091 65.024,80.445 v1(65.024,80.569) ; v1(65.962,86.815) 65.962,85.02 65.938,84.996 65.938,82.421 65.938,80.939 65.888,80.889 65.888,80.3 65.938,80.249 65.938,78.639 65.97,78.606 ; 67.92,78.606 67.92,79.731 68.377,80.188 v1(68.91,80.188) ; v1(72.775,84.075) 74.28,84.075 74.334,84.022 ; 77.325,92.1 76.475,92.1 76.295,91.92 76.295,88.483 76.234,88.422 78.528,88.422 79.527,87.423 v1(79.527,85.979)
  Top Layer w0.508: v1(62.052,86.817) 62.052,120.452 63.125,121.525 75.482,121.525 80.507,116.5 ; 80.507,111 80.507,116.5 ; 88.125,122.6 86.607,122.6 80.507,116.5
  Bottom Layer w0.254: v1(65.024,80.569) 65.786,79.807 68.529,79.807 v1(68.91,80.188)
  Bottom Layer w0.508: v1@62.055,86.816 v1@65.961,86.816 ; v1(65.024,80.569) 68.53,84.075 v1(72.775,84.075) 72.775,85.975 72.771,85.979 ; v1(65.962,86.815) 71.935,86.815 72.771,85.979 ; v1(79.527,85.979) 72.771,85.979
"HV MC+": "HV IMD+.1" "HV IMD+.2" "HV MC+.1" "HV MC+.2" "R44_U_HV Sense1.2" R11.2 | length 30.4
  Top Layer w0.508: 43.566,116.5 43.566,111 49.724,111 ; 49.724,116.5 49.724,111 ; 49.8,105.5 49.762,105.538 49.762,110.962 49.724,111
  Bottom Layer w0.508: 49.724,110.706 49.724,111 52,108.724 R11.2@52,104.5
"HV MC-": "C30_U_HV Sense1.2" "C31_U_HV Sense1.1" "C32_U_HV Sense1.1" "C33_U_HV Sense1.1" "C34_U_HV Sense1.2" "HV IMD-.1" "HV IMD-.2" "HV MC-.1" "HV MC-.2" "R51_U_HV Sense1.1" "R53_U_HV Sense1.1" "U17_U_HV Sense1.3" "U18_U_HV Sense1.11" "U18_U_HV Sense1.14" "U18_U_HV Sense1.16" "U18_U_HV Sense1.20" | length 157.5
  Top Layer w0.254: v1(34.475,83.925) 36.14,83.925 36.216,84.001 ; 38.1,88.438 38.1,91.928 38.272,92.1 39.302,92.1 ; 48.28,86.98 48.28,84.927 48.28,82.401 48.261,82.382 48.261,78.672 48.332,78.6 ; 50.932,78.6 50.932,80.032 v1(51.4,80.5) ; 52.16,88.4 52.16,84.994 52.186,84.968 52.162,84.943 52.162,82.473 52.232,82.403 52.232,81.338 52.189,81.295 52.189,80.705 52.232,80.662 52.232,78.6 ; v1(52.18,86.82) 52.18,88.48 ; 54.182,78.6 54.182,79.882 v1(54.6,80.3)
  Top Layer w0.508: 22.3,111 29.325,111 ; 29.325,116.5 29.325,111 ; 38.1,88.438 40.862,88.438 42.32,86.98 48.28,86.98 49.7,88.4 52.16,88.4 ; 52.18,88.48 55.05,91.35 55.05,120.55 53.95,121.65 38.15,121.65 35.517,119.017 35.517,116.5 35.517,111 29.325,111
  Bottom Layer w0.254: v1(34.475,83.925) 34.856,83.925 37.706,81.075 47.475,81.075 48.3,81.9 50,81.9 v1(51.4,80.5)
  Bottom Layer w0.508: v1(51.4,80.5) 52.6,79.3 53.6,79.3 v1(54.6,80.3) 54.6,84.4 v1(52.18,86.82)
"IMD Data": D22.A P1.5 U7.3 | length 29.6
  Top Layer w0.254: U7.3@136.83,41.173 136.868,41.211 142.761,41.211 142.786,41.186 ; D22.A@146.126,52.238 146.126,44.526 142.786,41.186 ; P1.5@147,31.7 145,33.7 145,38.972 142.786,41.186
"IMD Data (ISO)": R30.1 U19.38 | length 54.7
  Top Layer w0.203: U19.38@67.034,47.609 69.015,47.609 69.02,47.604
  Top Layer w0.254: 69.02,47.604 v1(70.06,46.565) ; v1(104.191,47.752) 104.927,48.489 110.058,48.489 110.947,47.6 R30.1@120.095,47.6
  Bottom Layer w0.254: v1(70.06,46.565) 70.079,46.584 80.334,46.584 81.502,47.752 v1(104.191,47.752)
"IMD OK": P1.3 U7.1 | length 14.9
  Top Layer w0.254: U7.1@136.83,36.093 140.407,36.093 144.2,32.3 144.2,30.3 P1.3@147,27.5
"IMD OK (ISO)": "IMD OK TP1.1" Q1.G R28.1 R29.2 U19.25 | length 79.8
  Top Layer w0.254: v1(59.131,44.298) 59.188,44.354 59.552,44.354 59.811,44.614 59.811,45.386 U19.25@59.834,45.409 ; Q1.G@121.965,39.577 121.968,39.58 121.968,42.669 R29.2@121.971,42.672 R28.1@121.971,45.212 v1(123.571,45.212) 124.536,44.247 124.536,42.85
  Bottom Layer w0.254: v1(59.131,44.298) 62.626,47.793 76.293,47.793 77.278,48.778 78.12,48.778 78.619,49.276 108.61,49.276 111.557,46.33 122.453,46.33 v1(123.571,45.212)
"NetAIR POW TP1_1": "AIR POW TP1.1" R10.1 U19.39 | length 56.1
  Top Layer w0.203: U19.39@67.034,48.109 68.359,48.109
  Top Layer w0.254: 68.359,48.109 72.5,52.25 79.398,52.25 83.65,47.999 102.507,47.999 108.634,54.126 ; R10.1@108.634,60.222 108.634,54.126 ; 110.592,53.035 109.501,54.126 108.634,54.126
"NetAIR+ G TP1_1": "AIR+ G TP1.1" R25.2 R33.1 U8.6 | length 30.4
  Top Layer w0.254: 100.125,97.725 100.125,93.271 100.896,92.5 v1(101.975,92.5) ; R25.2@101.9,91.1 101.975,91.175 v1(101.975,92.5) ; R33.1@101.975,93.9 v1(101.975,92.5) ; v1(102.34,74.96) U8.6@102.34,73 102.34,72.8 U8.6@102.344,72.804
  Bottom Layer w0.254: v1(101.975,92.5) 103.644,90.831 103.644,80.922 102.34,79.618 v1(102.34,74.96)
"NetAIR- G TP1_1": "AIR- G TP1.1" R9.2 R23.1 U8.7 | length 41.7
  Top Layer w0.254: 100.017,108.508 100,108.525 100,103.875 100.556,103.319 v1(101.975,103.319) ; U8.7@101.07,72.8 U8.7@101.078,72.808 ; U8.7@101.07,73 v1(101.07,74.97) ; R9.2@101.975,102.05 v1(101.975,103.319) ; R23.1@101.975,104.588 v1(101.975,103.319)
  Bottom Layer w0.254: v1(101.07,74.97) 101.07,78.995 102.952,80.877 102.952,90.298 101.07,92.18 101.07,102.414 v1(101.975,103.319)
"NetAMS Bypass1_2": "AMS Bypass1.2" "PDOC Bypass1.3" K3.13 K4.9 | length 45.1
  Top Layer w0.8: K4.9@82.002,15.036 82.035,15.003 82.035,11.133 82.069,11.1 ; K3.13@103.595,25.02 K3.13@103.595,25.196 106.202,22.589 106.202,11.1
  Bottom Layer w0.8: K4.9@82.002,15.036 84.11,12.929 104.373,12.929 106.202,11.1
"NetAMS Bypass1_3": "AMS Bypass1.3" "IMD Bypass1.2" K1.13 K3.9 | length 35.8
  Top Layer w0.8: K3.9@103.595,15.036 103.628,15.003 103.628,11.134 103.662,11.1 ; K1.13@115.98,25.196 118.587,22.589 118.587,11.1
  Bottom Layer w0.8: K3.9@103.595,15.036 107.951,15.036 109.852,13.135 116.552,13.135 118.587,11.1
"NetAMS OK TP1_1": "AMS OK TP1.1" Q3.G R34.2 | length 8.7
  Top Layer w0.254: Q3.G@109.611,39.577 109.617,39.582 109.617,42.64 R34.2@109.622,42.646 111.683,42.646 114.198,45.161
NetC3_2: C3.2 C4.2 C5.2 C6.2 U1.12 U1.19 | length 22.7
  Top Layer w0.254: U1.19@112.965,74.898 112.965,77.938 C3.2@112.987,77.961 113.012,77.986 113.012,80.686 C4.2@113.037,80.711 ; C4.2@113.024,80.73 113.059,80.765 113.059,82.541 v1(113.05,82.55) ; v1(119.258,80.95) 121.026,80.95 C5.2@121.174,80.801 C6.2@121.174,78.551 121.153,78.53 121.153,77.047 121.832,76.368 U1.12@121.832,74.875
  Bottom Layer w0.254: v1(113.05,82.55) 117.657,82.55 v1(119.258,80.95)
NetC9_2: "CAN TERM R1.1" "CAN TERM R2.2" C9.2 | length 4.8
  Bottom Layer w0.254: 129.844,98.385 129.869,98.361 132.255,98.361 132.255,96.043 C9.2@132.238,96.026
NetC12_2: "CANL TP1.1" C12.2 U1.15 U2.4 U3.1 | length 33.4
  Top Layer w0.254: U1.15@118.022,74.875 117.925,74.972 117.925,81.134 U3.1@117.709,81.35 117.709,83.709 119.349,85.349 ; 120.802,84.049 120.65,84.049 119.349,85.349 ; C12.2@134.402,93.347 134.39,93.359 U2.4@132.376,93.359 132.376,90.376 129.554,87.554 121.554,87.554 119.349,85.349
NetC13_2: "CANH TP1.1" C13.2 U1.17 U2.3 U3.2 | length 33.3
  Top Layer w0.254: 115.316,86.817 117.041,85.092 117.092,85.092 ; U1.17@115.482,74.875 115.579,74.972 115.579,81.12 U3.2@115.809,81.35 115.809,83.809 117.092,85.092 ; C13.2@127.902,93.347 127.914,93.359 U2.3@129.876,93.359 129.876,90.376 127.536,88.036 120.036,88.036 117.092,85.092
NetC21_2: C21.2 D1.K L1.2
NetC49_2: C49.2 U20.4 | length 2.2
  Top Layer w0.254: U20.4@74.2,47.758 74.2,49.91 C49.2@74.236,49.946
NetC52_2: "PDOC NTC1.1" "PDOC TEMP AMP OUT TP1.1" C52.2 R62.1 U21.4 U22.4 | length 47.7
  Top Layer w0.254: C52.2@26.542,20.011 26.572,20.041 R62.1@29.134,20.041 29.134,17.551 30.734,15.951 30.734,13.106 29.159,11.532 ; U22.4@28.05,35.068 28.05,36.55 v1(30,38.5) ; v1(30.048,45.695) 30.094,45.649 U21.4@30.094,44.196
  Bottom Layer w0.254: 29.134,17.551 30.961,19.379 30.961,37.539 v1(30,38.5) 30,45.243 30.25,45.493 v1(30.048,45.695)
NetC54_2: "PDOC TEMP REF TP1.1" C54.2 R64.1 R65.1 R65.2 U21.3 U22.5 | length 30.5
  Top Layer w0.254: R64.1@19.4,25.3 C54.2@19.4,23.3 20.96,23.3 R65.2@21.9,24.24 R65.1@21.9,26.78 21.9,31.73 23.025,32.855 ; 24.867,31.013 23.025,32.855 ; U21.3@30.094,41.834 30.099,41.829 30.099,39.959 30.059,39.959 27.55,37.45 U22.5@27.55,35.068 27.55,33.962 27.4,33.812 23.982,33.812 23.025,32.855
"NetCAN RX INDC1_K": "CAN RX INDC1.K" R58.2 | length 2.3
  Top Layer w0.254: 70.102,18.885 70.134,18.854 R58.2@70.134,16.611
"NetCAN TX INDC1_K": "CAN TX INDC1.K" R57.2 | length 2.3
  Top Layer w0.254: 67.793,18.885 67.793,16.643 R57.2@67.824,16.611
NetD1_A: D1.A F1.2 | length 6
  Top Layer w0.8: D1.A@151.2,97.5 F1.2@151.2,103.5
NetD3_A: D3.A R6.1 | length 2.3
  Top Layer w0.254: R6.1@124.171,100.043 D3.A@124.171,102.326
NetD4_A: D4.A D5.K Q2.D U10.3
NetD5_A: D5.A R15.1 | length 2.3
  Top Layer w0.254: R15.1@81.622,64.4 81.674,64.452 D5.A@81.674,66.676
NetD7_A: D7.A R22.1 | length 2.3
  Top Layer w0.254: D7.A@124.171,95.476 R22.1@124.171,97.759
NetD8_A: D8.A K1.1 Q1.D R27.1 | length 24.5
  Top Layer w0.254: D8.A@115.979,41.3 v1(115.979,43.533) ; R27.1@121,32.8 121.016,32.816 K1.1@123.6,32.816 123.6,34.942 121.015,37.527 Q1.D@121.015,37.577
  Bottom Layer w0.254: v1(115.979,43.533) 115.979,40.437 K1.1@123.6,32.816
NetD9_K: D9.K R27.2 | length 2.4
  Top Layer w0.254: D9.K@118.64,34.7 R27.2@121,34.7
NetD10_A: D10.A P2.A4 P2.A9 P2.B4 P2.B9 | length 12.9
  Top Layer w0.254: P2.B4@40.298,13.995 P2.A9@40.298,15.345 40.298,19.798 D10.A@40.3,19.8 ; P2.B9@44.548,13.995 P2.A4@44.548,15.345
  Bottom Layer w0.254: P2.B4@40.298,13.995 40.298,13.327 40.5,13.125 44.375,13.125 44.548,13.298 P2.B9@44.548,13.995
NetD11_A: D11.A R5.1 | length 2.5
  Top Layer w0.254: D11.A@96.006,57.208 R5.1@98.529,57.208
NetD12_A: D12.A K3.1 Q3.D R37.1 | length 24.8
  Top Layer w0.254: D12.A@103.607,41.3 v1(103.607,43.663) ; R37.1@108.652,32.8 108.668,32.816 K3.1@111.215,32.816 111.215,34.974 108.661,37.527 Q3.D@108.661,37.577 ; R37.1@108.652,32.818 R37.1@108.654,32.816
  Bottom Layer w0.254: v1(103.607,43.663) 103.607,40.424 K3.1@111.215,32.816
NetD13_K: D13.K R37.2 | length 2.4
  Top Layer w0.254: D13.K@106.29,34.718 R37.2@108.652,34.718
NetD14_A: D14.A K4.1 Q4.D R42.1 | length 24.7
  Top Layer w0.254: D14.A@82,41.3 v1(82,43.7) ; R42.1@87.116,32.816 K4.1@89.622,32.816 89.622,35.078 87.173,37.527 Q4.D@87.173,37.577
  Bottom Layer w0.254: v1(82,43.7) 82,40.438 K4.1@89.622,32.816
NetD15_K: D15.K R42.2 | length 2.2
  Top Layer w0.254: D15.K@84.892,34.708 87.108,34.708 R42.2@87.116,34.716
NetD16_K: D16.K R2.2 | length 2.5
  Top Layer w0.254: R2.2@144,75.35 144,72.914 D16.K@144.026,72.888
NetD17_K: D17.K R3.2 | length 2.1
  Top Layer w0.254: D17.K@84.922,56.577 R3.2@87.047,56.577
NetD18_K: D18.K R55.2 | length 2.1
  Top Layer w0.254: R55.2@69.8,41.045 D18.K@71.943,41.045
NetD19_K: D19.K R56.2 | length 2.3
  Top Layer w0.254: D19.K@65.483,18.885 65.483,16.643 R56.2@65.514,16.611
NetD20_A: D20.A R20.1 | length 2.5
  Top Layer w0.254: D20.A@101.01,57.208 R20.1@103.532,57.208
NetD21_K: D21.K R40.1 | length 2.1
  Top Layer w0.254: R40.1@113.462,99.026 D21.K@115.562,99.026
NetD22_K: D22.K R43.1 | length 2.3
  Top Layer w0.254: R43.1@146.1,56.4 146.126,56.374 D22.K@146.126,54.138
NetP2_A5: P2.A5 R63.1 | length 10.9
  Top Layer w0.254: v1(48.772,20.799) R63.1@50.313,20.799
  Bottom Layer w0.254: P2.A5@43.698,15.345 43.698,18.873 45.624,20.799 v1(48.772,20.799)
NetP2_A6: P2.A6 P2.B6 R41.1 | length 11.6
  Top Layer w0.254: P2.A6@42.848,15.345 42.848,14.873 42.675,14.7 42.203,14.7 41.998,14.495 P2.B6@41.998,13.995 41.998,13.202 42.425,12.775 47.471,12.775 48.233,13.536 R41.1@50.304,13.536
NetP2_A7: P2.A7 P2.B7 R61.1 | length 12.6
  Top Layer w0.254: P2.A7@41.998,15.345 41.998,17.098 43.289,18.389 R61.1@50.304,18.389
  Bottom Layer w0.254: P2.A7@41.998,15.345 41.998,14.877 42.2,14.675 42.668,14.675 42.848,14.495 P2.B7@42.848,13.995
NetP2_B5: P2.B5 R72.1 | length 10.9
  Top Layer w0.254: P2.B5@41.148,13.995 41.148,13.002 41.933,12.217 47.475,12.217 48.582,11.11 R72.1@50.304,11.11
"NetPDOC OK TP1_1": "PDOC OK TP1.1" Q4.G R35.2 | length 6
  Top Layer w0.254: 88.1,45.6 88.125,45.575 88.124,45.574 R35.2@88.123,42.634 R35.2@88.123,42.634 Q4.G@88.123,39.577
NetQ2_G: Q2.G R32.2 | length 3.6
  Top Layer w0.254: Q2.G@71.745,65.04 71.745,61.426 R32.2@71.756,61.415
NetQ5_G: Q5.G R23.2 | length 3.8
  Top Layer w0.254: R23.2@101.975,106.488 101.981,106.494 105.744,106.494 Q5.G@105.75,106.5
NetQ6_G: Q6.G R33.2 | length 3.8
  Top Layer w0.254: R33.2@101.975,95.8 Q6.G@105.8,95.8
NetR1_2: R1.2 U1.18 | length 9.1
  Top Layer w0.254: U1.18@114.25,74.913 114.25,76.65 114.375,76.775 R1.2@114.375,83.962
NetR10_2: R10.2 R12.2 U9.3 | length 5.6
  Top Layer w0.254: U9.3@106.13,65.25 106.13,62.141 R12.2@106.121,62.132 106.125,62.127 108.63,62.127 R10.2@108.634,62.122
NetR11_1: R11.1 R14.2 | length 8.4
  Bottom Layer w0.508: R14.2@38.05,104.5 R11.1@46.4,104.5
NetR13_1: R13.1 U9.2 | length 2.7
  Top Layer w0.254: R13.1@106.126,76.938 106.13,76.934 U9.2@106.13,74.25
NetR14_1: R14.1 U10.1 | length 36.6
  Top Layer w0.508: v1(26.25,96.125) 28.9,93.475 28.9,86.525 27.72,85.345 U10.1@27.72,75.055
  Bottom Layer w0.508: v1(26.25,96.125) 26.25,102.625 28.125,104.5 R14.1@32.95,104.5
NetR16_1: R16.1 R17.2 | length 8.4
  Bottom Layer w0.508: R17.2@70.6,104.5 R16.1@79,104.5
NetR16_2: R16.2 U10.4 | length 35.3
  Top Layer w0.508: U10.4@88.68,75.055 88.68,93.055 90.5,94.875 v1(90.5,95.25)
  Bottom Layer w0.508: R16.2@84.1,104.5 88.25,104.5 90.5,102.25 v1(90.5,95.25)
NetR18_1: R18.1 U21.1 | length 9.3
  Top Layer w0.254: R18.1@23.481,49.146 23.481,46.737 28.194,42.024 U21.1@28.194,41.834
NetR18_2: R18.2 U24.2 | length 4.2
  Top Layer w0.254: R18.2@25.381,49.146 25.408,49.173 29.573,49.173 U24.2@29.6,49.2
NetR26_2: R26.2 U7.2 | length 3.2
  Top Layer w0.254: U7.2@136.83,38.633 139.967,38.633 R26.2@140,38.6
NetR28_2: R28.2 U7.15 | length 13.8
  Top Layer w0.254: v1(118.4,45.1) 119.959,45.1 R28.2@120.071,45.212 ; v1(126.133,38.633) U7.15@127.83,38.633
  Bottom Layer w0.254: v1(118.4,45.1) 119.667,45.1 v1(126.133,38.633)
NetR30_2: R30.2 R36.2 U7.13 | length 10.3
  Top Layer w0.254: R36.2@121.995,49.932 R30.2@121.995,47.6 123.6,47.6 124.6,46.6 124.6,45 125.887,43.713 U7.13@127.375,43.713
NetR31_1: R31.1 U7.4 | length 3.2
  Top Layer w0.254: U7.4@136.83,43.713 139.987,43.713 R31.1@140,43.7
"NetR44_U_HV Sense1_1": "R44_U_HV Sense1.1" "R45_U_HV Sense1.2" | length 2.7
  Top Layer w0.508: 43.4,105.5 46.1,105.5
"NetR44_U_HV Sense2_1": "R44_U_HV Sense2.1" "R45_U_HV Sense2.2" | length 2.7
  Top Layer w0.508: 71.24,105.5 73.94,105.5
"NetR45_U_HV Sense1_1": "R45_U_HV Sense1.1" "R46_U_HV Sense1.2" | length 2.7
  Top Layer w0.508: 37.5,105.5 40.2,105.5
"NetR45_U_HV Sense2_1": "R45_U_HV Sense2.1" "R46_U_HV Sense2.2" | length 2.7
  Top Layer w0.508: 77.14,105.5 79.84,105.5
"NetR46_U_HV Sense1_1": "R46_U_HV Sense1.1" "R47_U_HV Sense1.2" | length 2.7
  Top Layer w0.508: 31.6,105.5 34.3,105.5
"NetR46_U_HV Sense2_1": "R46_U_HV Sense2.1" "R47_U_HV Sense2.2" | length 2.7
  Top Layer w0.508: 83.04,105.5 85.74,105.5
"NetR47_U_HV Sense1_1": "R47_U_HV Sense1.1" "R48_U_HV Sense1.2" "R48_U_HV Sense1.3" "U17_U_HV Sense1.4" "U17_U_HV Sense1.5" "U17_U_HV Sense1.6" "U17_U_HV Sense1.7" | length 34.9
  Top Layer w0.254: 28.46,101.46 33.8,96.12 33.8,93.08 ; 39.302,92.6 34.902,92.6 33.919,92.6 33.8,92.719 33.8,93.08 ; 39.302,93.1 34.902,93.1 33.82,93.1 33.8,93.08
  Top Layer w0.508: 22.141,101.518 22.142,101.459 22.2,98.92 ; 22.2,101.46 28.46,101.46 28.46,105.44 28.4,105.5